# Altium PCB CC_V1.4.PcbDoc (part 2 of 8) (continued)
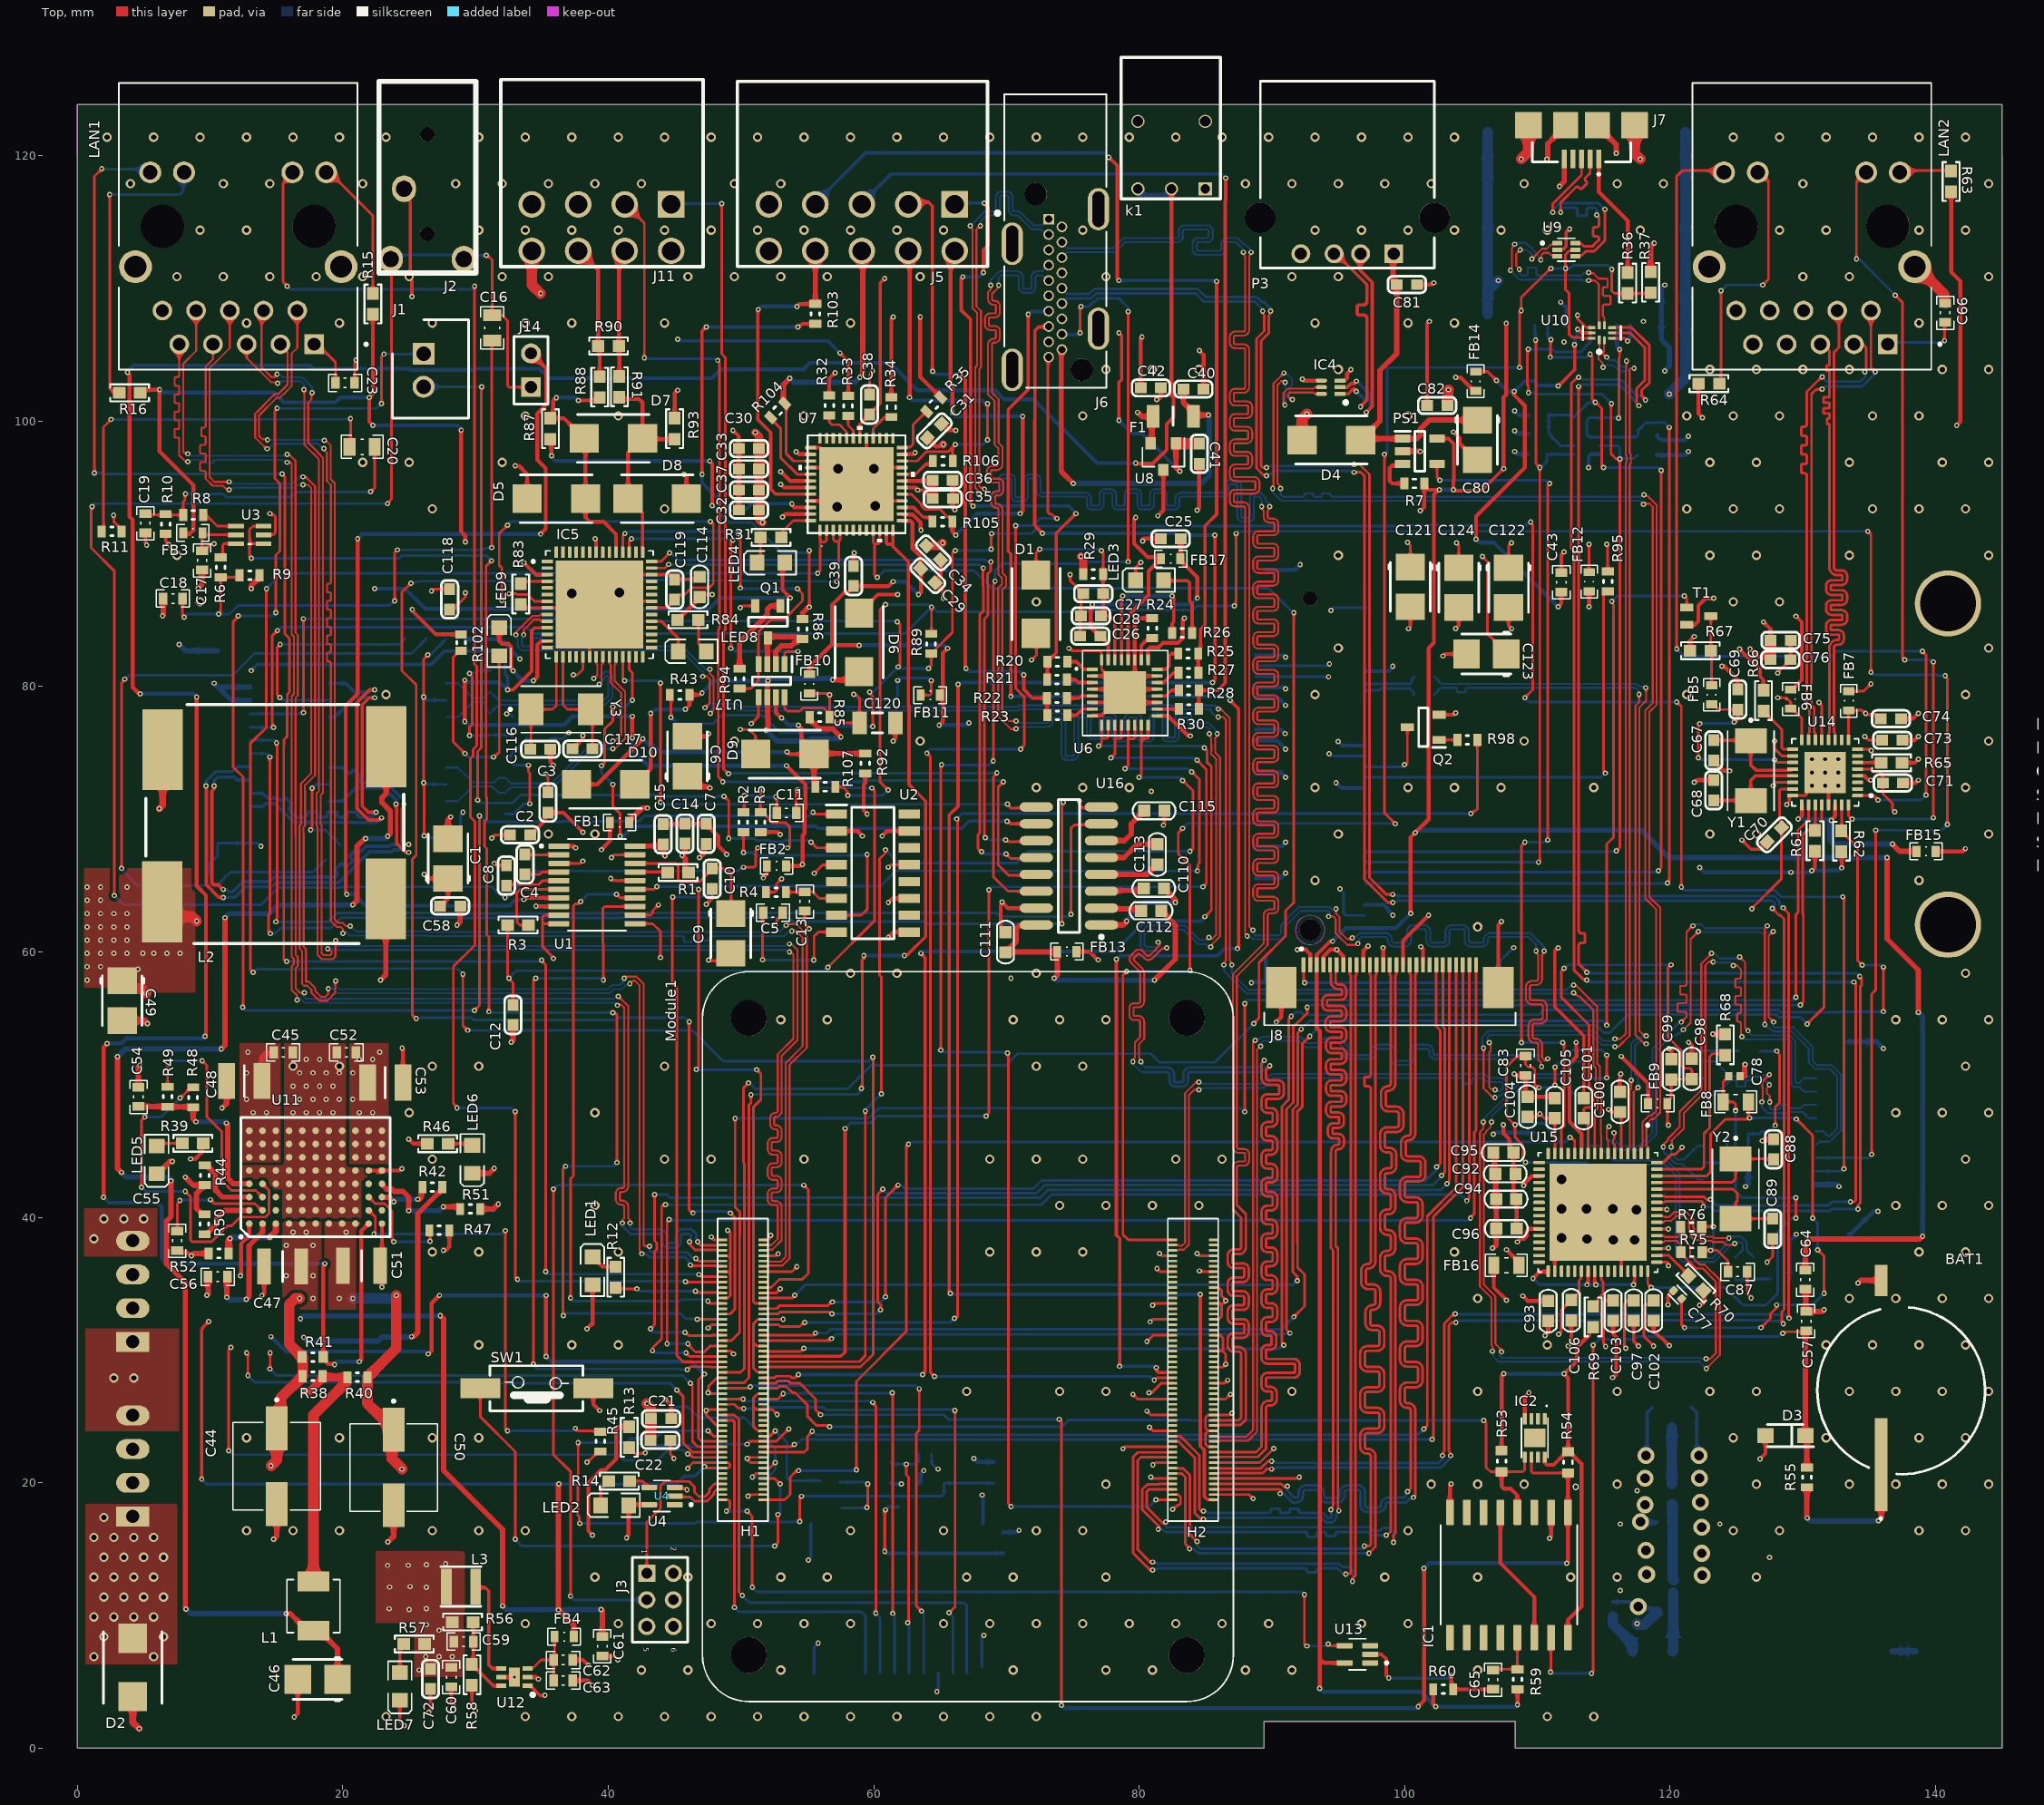
[diagram p0: Top view]
## Part data
ANT1: library part SR4L034-R, "LTE antenna / Berand        : antenova  / partNo Left : SR4L034-L  / PartNo Right: SR4L034-R", link=https://www.digikey.sg/product-detail/en/antenova/SR4L034-R/627-1107-1-ND/9172247, Part Number=SR4L034-R
BAT1: library part "RTC BAT (ML-1220_F1AN)", Manufacturer_Name="Panasonic Battery", Part Number=ML-1220/F1AN, Datasheet Link=http://media.digikey.com/pdf/Data%20Sheets/Panasonic%20Inustrial/ML_Serie.pdf, link=https://www.digikey.com/product-detail/en/panasonic-bsg/ML-1220-F1AN/P295-ND/447504
C1 C9 C46 C49 C80 C121 C122 C123 C124: "Tantalum Capacitor", Voltage=10V
  C9: Part Number=Cap_Tantal
C2 C3 C4 C7 C8 C10 C12 C25 C26 C27 C28 C29 C30 C31 C32 C33 C34 C35 C36 C37 C38 C39: library part "Capacitor Ceramic SMD", Tolerance=*%, Voltage=10v
C5 C11 C13 C17 C18 C19 C55 C56 C57 C61 C62 C63 C64 C65: "SMD capacitor", Part Number="SMD CAP (0603)", Voltage=50V
C6: "Tantalum Capacitor", Part Number=Tantal, Voltage=10V
C14 C15 C21 C22 C24 C40 C42 C58 C67 C68 C69 C70 C71 C72 C73 C74 C75 C76 C81 C82 C88 C89 C116 C117 C118 C119: Voltage=50v
C16 C20 C43 C59 C60 C125 C126 C127 C128: "SMD capacitor", Voltage=50V
C23 C45 C52 C54 C66: "SMD capacitor", Part Number="SMD CAP (0603)"
C41: "SMD capacitor", Voltage=50v
C44 C50: "Capacitor Polarised", Manufacturer_Name=Suncon, Arrow Part Number=63CE22BS, Datasheet Link=http://www.sunelec.co.jp/common/pdf/eng/CE-BS.pdf, Height=8mm, Manufacturer_Part_Number=63CE22BS
C47 C51: "Capacitor, 4.7uF, 50V", Manufacturer_Name=Kemet, Mouser Part Number=80-C1210C475K5R, Package=1210, Voltage=50V, Arrow Part Number=C1210C475K5RACTU, Arrow Price/Stock=https://www.arrow.com/en/products/c1210c475k5ractu/kemet-corporation, Datasheet Link=https://componentsearchengine.com/Datasheets/2/C1210C475K5RACTU.pdf, Height=2.8mm, Manufacturer_Part_Number=C1210C475K5RACTU, Mouser Price/Stock=https://www.mouser.co.uk/ProductDetail/KEMET/C1210C475K5RACTU?qs=dB0LedT%252BmmBpncka1nOCUg%3D%3D
C48 C53: "Capacitor, 100uF, 10V", Manufacturer_Name="Murata Electronics", Mouser Part Number=81-GRM32ER61A107ME0L, Arrow Part Number=GRM32ER61A107ME20L, Arrow Price/Stock=https://www.arrow.com/en/products/grm32er61a107me20l/murata-manufacturing, Datasheet Link=https://psearch.en.murata.com/capacitor/product/%23.html, Height=2.7mm, Manufacturer_Part_Number=GRM32ER61A107ME20L, Mouser Price/Stock=https://www.mouser.co.uk/ProductDetail/Murata-Electronics/GRM32ER61A107ME20L?qs=QRVci0nWsCb7NlWFDLlBHA%3D%3D
C77: "CAP CER 1UF 6.3V X6S 0402", Package=None, Availability=Unavailable, MP=CC0402KRX6S5BB105, Price=None
C78: "CAP CER 0.1UF 10V X5R 0402", Package=None, Availability=Unavailable, MP=GRM152R61A104KE19D, Price=None
C83 C84 C85 C86 C87 C90 C91 C107 C108 C109: library part Cap, "SMD capacitor"
C92 C93 C94 C95 C96 C97 C98 C99 C100 C101 C102 C103 C104 C105 C106 C110 C111 C112 C113 C114 C115: library part "Cap Semi", "Capacitor (Semiconductor SIM Model)", PackageReference=C1206, Published=8-Jun-2000, Publisher="Altium Limited"
  C92 C93 C94 C95 C96 C97 C98 C99 C100 C101 C102 C103 C104 C105 C106 C110 C111 C112 C113 C114: LatestRevisionDate=17-Jul-2002, LatestRevisionNote="Re-released for DXP Platform."
  C115: LatestRevisionDate=29-May-2009, LatestRevisionNote="IPC-7351 Footprint Added.", PackageDescription="Chip Capacitor"
C120: "Capacitor (Semiconductor SIM Model)", LatestRevisionDate=29-May-2009, LatestRevisionNote="IPC-7351 Footprint Added.", PackageDescription="Chip Capacitor", PackageReference=C1206, Published=8-Jun-2000, Publisher="Altium Limited"
C129: "Murata Capacitor", Manufacturer_Name="Murata Electronics", Height=0.55mm
D1: library part SMBJ6.0CA, "Bidirectional TVS 8V SMB", Manufacturer_Name=Littelfuse, Part Number=SMBJ33A, Datasheet Link=https://www.littelfuse.com/~/media/electronics/datasheets/tvs_diodes/littelfuse_tvs_diode_smbj_datasheet.pdf.pdf, Height=2.44mm, link=https://www.digikey.sg/product-detail/en/littelfuse-inc/SMBJ6.0CA/SMBJ6.0CALFCT-ND/286102
D2: library part TPSMB62CA, "Partnumber : TPSMB110CA", Manufacturer_Part_Number=TPSMB110CA
D3: library part NRVB120VLSFT1G, Manufacturer_Name="ON Semiconductor", Datasheet Link=http://www.onsemi.com/pub/Collateral/MBR120VLSFT1-D.PDF, Height=0.98mm, link=https://www.digikey.com/product-detail/en/on-semiconductor/NRVB120VLSFT1G/NRVB120VLSFT1GOSCT-ND/8538727, Part Number=NRVB120VLSFT1G
D4 D5 D8: library part SMBJ6.0CA, "Bidirectional TVS 8V SMB", Manufacturer_Name=Littelfuse, Part Number=SMBJ8.0CA, Datasheet Link=https://www.littelfuse.com/~/media/electronics/datasheets/tvs_diodes/littelfuse_tvs_diode_smbj_datasheet.pdf.pdf, Height=2.44mm, link=https://www.digikey.sg/product-detail/en/littelfuse-inc/SMBJ6.0CA/SMBJ6.0CALFCT-ND/286102
D6 D7 D9 D10: library part SMBJ6.0CA, "Bidirectional TVS 6V SMB", Manufacturer_Name=Littelfuse, Part Number=SMBJ8.0CA, Datasheet Link=https://www.littelfuse.com/~/media/electronics/datasheets/tvs_diodes/littelfuse_tvs_diode_smbj_datasheet.pdf.pdf, Height=2.44mm, link=https://www.digikey.sg/product-detail/en/littelfuse-inc/SMBJ6.0CA/SMBJ6.0CALFCT-ND/286102
F1: library part "Fuse (3413.0113.22)", "USB Host Fuse", Manufacturer_Name=SCHURTER, Part Number=3413.0113.22, Datasheet Link=http://docs-emea.rs-online.com/webdocs/0ce7/0900766b80ce74f5.pdf, Height=0.6mm, link=https://www.digikey.sg/product-detail/en/schurter-inc/3413.0113.22/486-1675-1-ND/2870075
FB1 FB2 FB4 FB5 FB6 FB7 FB9 FB10 FB11 FB12 FB13 FB14 FB15: "Ferrite Bead SMD", Part Number=MI0603J102R-10, link=https://www.digikey.com/product-detail/en/laird-signal-integrity-products/MI0805J102R-10/240-2551-1-ND/1015989
FB3: "Ferrite Bead SMD", link=https://www.digikey.com/product-detail/en/laird-signal-integrity-products/MI0805J102R-10/240-2551-1-ND/1015989, MI0603J102R-10=1K@100MHz
FB8: "Ferrite Bead SMD", Part Number=MPZ2012S601AT000, link=https://www.digikey.com/product-detail/en/laird-signal-integrity-products/MI0805J102R-10/240-2551-1-ND/1015989
FB16 FB17: "Ferrite Bead SMD", Part Number=MI0805J102R-10, link=https://www.digikey.com/product-detail/en/laird-signal-integrity-products/MI0805J102R-10/240-2551-1-ND/1015989
IC1: "Integrated Circuit", Arrow Part Number=PCF2129T/2,518, Manufacturer_Name=NXP, Mouser Part Number=771-PCF2129T/2,518, Arrow Price/Stock=https://www.arrow.com/en/products/pcf2129t2518/nxp-semiconductors, Datasheet Link=http://www.nxp.com/docs/en/data-sheet/PCF2129.pdf, Height=2.65mm, Manufacturer_Part_Number=PCF2129T/2,518, Mouser Price/Stock=https://www.mouser.co.uk/ProductDetail/NXP-Semiconductors/PCF2129T-2518/?qs=O0BhuZj9Wkzo98h9NloC7Q%3D%3D
IC2: "Integrated Circuit", Manufacturer_Name=Microchip, Mouser Part Number=556-ATECC508AMAHCZS, Arrow Part Number=ATECC508A-MAHCZ-S, Arrow Price/Stock=https://www.arrow.com/en/products/atecc508a-mahcz-s/microchip-technology, Datasheet Link=http://www.mouser.com/ds/2/268/Atmel-8923S-CryptoAuth-ATECC508A-Datasheet-Summary-1065793.pdf, Height=0.6mm, Manufacturer_Part_Number=ATECC508A-MAHCZ-S, Mouser Price/Stock=https://www.mouser.co.uk/ProductDetail/Microchip-Technology-Atmel/ATECC508A-MAHCZ-S?qs=%2FPOkb%252BiDxRUOydmISUnqmg%3D%3D
IC4: "Integrated Circuit", Manufacturer_Name=STMicroelectronics, Mouser Part Number=511-ECMF02-2AMX6, RS Part Number=8805276P, Datasheet Link=http://www.st.com/content/ccc/resource/technical/document/datasheet/3a/28/cf/d0/31/63/48/8c/CD00282307.pdf/files/CD00282307.pdf/jcr:content/translations/en.CD00282307.pdf, Height=0.55mm, Mouser Price/Stock=https://www.mouser.com/Search/Refine.aspx?Keyword=511-ECMF02-2AMX6, Part Number=ECMF02-2AMX6, RS Price/Stock=http://uk.rs-online.com/web/p/products/8805276P
IC5: "Integrated Circuit", Manufacturer_Name=EXAR, Mouser Part Number=701-22804IL56-F, Arrow Part Number=XR22804IL56-F, Arrow Price/Stock=https://www.arrow.com/en/products/xr22804il56-f/exar, Datasheet Link=https://www.exar.com/ds/xr22804_1b_04152015.pdf, Height=1mm, Manufacturer_Part_Number=XR22804IL56-F, Mouser Price/Stock=https://www.mouser.com/Search/Refine.aspx?Keyword=701-22804IL56-F
J1: library part B2B-XH-A, "Header Through Hole 2 position (2.50mm)", Manufacturer_Name="JST Sales America", Datasheet Link=http://www.jst-mfg.com/product/pdf/eng/eXH.pdf, Height=7mm, link=https://www.digikey.sg/product-detail/en/jst-sales-america-inc/B2B-XH-A-LF-SN/455-2247-ND/1651045, Part Number=B2B-XH-A
J3: library part BF050-06-A-B-0400-0300-N-G, link=https://gct.co/connector/bf050, Part Number=BF050-06-A-B-0400-0300-N-G, Pin Number=6, Pitch="2.00 mm", Row Number=Dual
J6: "Conn HDMI RCP 19 POS Solder RA Thru-Hole 19 Terminal 1 Port T/R", Package=None, Availability=Unavailable, MF="TE Connectivity", MP=2007435-2, Price=None, SnapEDA_Link=https://www.snapeda.com/parts/2007435-2/TE%20Connectivity%20AMP%20Connectors/view-part/1316516/?ref=snap
J7: "Micro USB Receptacle, Type AB, SMT, Horizontal, Bottom Mount, without Peg"
J8: Package=None, Availability=Unavailable, MP=2-1734592-7, Price=None
J9 J10: "10 Position FFC, FPC Connector Contacts, Top 0.039 _1.00mm_ Surface Mount, Right Angle", Package="Package Analog Devices", Availability=Unavailable, MF="Global Connector Technology", MP=FFC3B11-10-T, Price=None, SnapEDA_Link=https://www.snapeda.com/parts/FFC3B11-10-T/Global%20Connector%20Technology/view-part/4223050/?ref=snap
J11: library part P?, Part Number=1953732
J12: library part "Mini PCIe (AAA-PCI-049-K01)", Part Number=AAA-PCI-049-K01, link=https://lcsc.com/product-detail/Others_AAA-PCI-049-K01_C185938.html
J13: library part U.FL-R-SMT(10), "Coaxial Connectors U.FL", Manufacturer_Name=Hirose, Datasheet Link=https://media.digikey.com/pdf/Data%20Sheets/Hirose%20PDFs/UFL%20Series.pdf, Height=1.25mm, link=https://www.digikey.sg/product-detail/en/hirose-electric-co-ltd/U.FL-R-SMT-10/H9161CT-ND/2135256, Part Number=U.FL-R-SMT(10)
J14: library part "Header 2", "Header, 2-Pin", LatestRevisionDate=17-Jul-2002, LatestRevisionNote="Re-released for DXP Platform.", Publisher="Altium Limited"
L1: library part 744373240022, "744373240022", Manufacturer_Name="Wurth Elektronik", Mouser Part Number=710-744373240022, Arrow Part Number=744373240022, Datasheet Link=http://componentsearchengine.com/Datasheets/1/744373240022.pdf, Manufacturer_Part_Number=744373240022, Mouser Price/Stock=https://www.mouser.co.uk/ProductDetail/Wurth-Elektronik/744373240022?qs=cFlH0mFHHFrAuUoRjqUUNw%3D%3D, Part Number=744373240022
L2: library part TRANS1
L3: library part NR3015T2R2M, Manufacturer_Name="TAIYO YUDEN", Datasheet Link=http://ds.yuden.co.jp/TYCOMPAS/ut/detail.do?productNo=NR3015T2R2M&fileName=NR3015T2R2M_SS&mode=specSheetDownload, link=https://www.digikey.com/product-detail/en/taiyo-yuden/NR3015T2R2M/587-1648-1-ND/1008263, Part Number=NR3015T2R2M
L4 L5 L6: "Murata Inductor", Manufacturer_Name="Murata Electronics", Height=0.55mm
  L4: link=https://www.digikey.com/product-detail/en/murata-electronics/LQG15HS6N8J02D/490-2621-1-ND/662901, Part Number=LQG15HS6N8J02D
  L5: link=https://www.digikey.com/product-detail/en/murata-electronics/LQG15HS39NJ02D/490-2630-1-ND/662910, Part Number=LQG15HS39NJ02D
  L6: link=https://www.digikey.com/product-detail/en/murata-electronics/LQG15HS22NJ02D/490-2627-1-ND/662907, Part Number=LQG15HS22NJ02D
LAN1 LAN2: "Conn RJ-45 RCP 8 POS 1.27mm Solder RA Thru-Hole 14 Terminal 1 Port", Package=None, Availability=Unavailable, MF="Bel Magnetic Solutions", MP=SI-61001-F, Price=None, SnapEDA_Link=https://www.snapeda.com/parts/SI-61001-F/Bel%20Magnetic%20Solutions/view-part/4791152/?ref=snap
LED1 LED2 LED5 LED6 LED7 LED9: library part "WL-SMCW 0805  150080GS75000", "SMD mono-color Chip LED, WL-SMCW, Green", Color=Green, Manufacturer="W黵th Elektronik eiSos GmbH", ComponentLink1Description=Manufacturer, ComponentLink1URL=http://www.we-online.de, ComponentLink2Description=Datasheet, ComponentLink2URL=http://katalog.we-online.com/led/datasheet/150080GS75000.pdf, Created by="Christin Otto", Created Date="June 2013", PartNo=150080GS75000
LED3 LED4: library part "WL-SMCW 0805  150080GS75000", "SMD mono-color Chip LED, WL-SMCW, Green", Color=Green, Manufacturer="W黵th Elektronik eiSos GmbH", PartNo=150080GS75000, ComponentLink1Description=Manufacturer, ComponentLink1URL=http://www.we-online.de, ComponentLink2Description=Datasheet, ComponentLink2URL=http://katalog.we-online.com/led/datasheet/150080GS75000.pdf, Created by="Christin Otto", Created Date="June 2013"
LED8: library part "WL-SMCW 0805  150080GS75000", "SMD mono-color Chip LED, WL-SMCW, Yellow", Color=Green, Manufacturer="W黵th Elektronik eiSos GmbH", ComponentLink1Description=Manufacturer, ComponentLink1URL=http://www.we-online.de, ComponentLink2Description=Datasheet, ComponentLink2URL=http://katalog.we-online.com/led/datasheet/150080GS75000.pdf, Created by="Christin Otto", Created Date="June 2013", PartNo=150080GS75000
Module1: library part ComputeModule4-CM4, Field4=Hirose, Field5="2off DF40C-100DS-0.4V", Field6="2off DF40C-100DS-0.4V", Field7=Hirose, Part Description="100 Position Connector Receptacle, Center Strip Contacts Surface Mount Gold"
P1 P2: library part "Header 4", "CONN HEADER VERT 4POS 2.5MM JST Sales America Inc., B4B-XH-AM(LF)(SN)", Part Number=B4B-XH-AM(LF)(SN), LatestRevisionDate=17-Jul-2002, LatestRevisionNote="Re-released for DXP Platform.", Publisher="Altium Limited"
P3: "USB-A _USB TYPE-A_  Receptacle Connector 4 Position Through Hole, Right Angle", Package=None, Availability=Unavailable, MF="On Shore", MP=USB-A1HSW6, Price=None, SnapEDA_Link=https://www.snapeda.com/parts/USB-A1HSW6/On%20Shore%20Technology%20Inc./view-part/13110/?ref=snap
PS1: "Power Supply", Manufacturer_Name="Diodes Inc.", Mouser Part Number=621-AP22804AW5-7, Arrow Part Number=AP22804AW5-7, Arrow Price/Stock=https://www.arrow.com/en/products/ap22804aw5-7/diodes-incorporated, Datasheet Link=https://componentsearchengine.com/Datasheets/2/AP22804AW5-7.pdf, Height=1.4mm, Manufacturer_Part_Number=AP22804AW5-7, Mouser Price/Stock=https://www.mouser.co.uk/ProductDetail/Diodes-Incorporated/AP22804AW5-7?qs=lqAf%2FiVYw9hgcUuNhFapmA%3D%3D
Q1 Q2: "NPN General Purpose Amplifier", link=https://www.alibaba.com/product-detail/100-MMBT8050-SOT-23-J3Y-S8050_60584077590.html, Part Number=MMBT8050
R1 R3 R12 R13 R14 R17 R18 R19 R31 R39 R46 R56 R57 R58 R61 R62 R65 R66 R67 R68 R69 R70 R83 R84 R87 R88 R90 R91 R93: "Resistor", LatestRevisionDate=17-Jul-2002, LatestRevisionNote="Re-released for DXP Platform.", PackageReference=AXIAL-0.3, Published=8-Jun-2000, Publisher="Altium Limited"
R2 R4 R5 R6 R7 R8 R9 R10 R11 R20 R21 R22 R23 R24 R25 R26 R27 R28 R29 R30 R32 R33 R34 R35 R38 R40 R41 R42 R43 R44 R45 R47 R48 R49 R50 R51 R52 R53 R54 R55 R85 R86 R89 R92 R94 R95 R96 R97 R98 R99 R100 R101 R102 R103 R104 R105 R106 R107: "SMD resistor", Tolerance=5%
R15 R16 R36 R37 R63 R64: library part RES
R59 R60: "SMD resistor", Tolerance=1%
R71 R72 R73 R74 R75 R76 R77 R78 R79 R80 R81 R82: library part Res, "SMD resistor", Tolerance=5%
SIM1: library part "Micro SIM Connector (5039600695)", "Micro SIM Card Connector", Part Number=5039600695, link=https://www.digikey.sg/product-detail/en/molex/5039600695/WM17882CT-ND/8572265
SW1: library part SW-PB, "Switch", LatestRevisionDate=17-Jul-2002, LatestRevisionNote="Re-released for DXP Platform.", PackageDescription="Switch; 2 Leads", PackageReference=SPST-2, Published=24-Mar-1999, Publisher="Altium Limited"
T1: "<b>NPN Silicon Digital Transistor</b>  50V 0,1A 0,25W", Package=None, Availability=Unavailable, MP=BCR133W, Price=None
T2 T3: library part H1102NL, "Ethernet Transformer", Manufacturer_Name=Pulse, Datasheet Link=https://productfinder.pulseeng.com/products/datasheets/h1102nl.pdf, Height=5.97mm, Part Number=H1102NL
U2: library part PAM8403DR, "Stereo Audio Amp", Manufacturer_Name="Diodes Inc.", Datasheet Link=http://docs-emea.rs-online.com/webdocs/1268/0900766b81268cf7.pdf, Height=1.75mm, link=https://www.digikey.com/product-detail/en/diodes-incorporated/PAM8403DR/PAM8403DRDICT-ND/8545951, Part Number=PAM8403DR
U3: "Buffer, Non-Inverting 2 Element 1 Bit per Element Push-Pull Output SC-88 _SC-70-6_", Package="SC-70-6 ON Semiconductor", Availability=Unavailable, MF="ON Semiconductor", MP=NC7WZ16P6X, Price=None, SnapEDA_Link=https://www.snapeda.com/parts/NC7WZ16P6X/ON%20Semiconductor/view-part/1769774/?ref=snap
U4: "Undefined or Miscellaneous", Manufacturer_Name="Diodes Inc.", Mouser Part Number=621-74LVC1G07SE-7, Arrow Part Number=74LVC1G07SE-7, Arrow Price/Stock=https://www.arrow.com/en/products/74lvc1g07se-7/diodes-incorporated, Datasheet Link=https://componentsearchengine.com/Datasheets/2/74LVC1G07SE-7.pdf, Height=1.1mm, Manufacturer_Part_Number=74LVC1G07SE-7, Mouser Price/Stock=https://www.mouser.co.uk/ProductDetail/Diodes-Incorporated/74LVC1G07SE-7?qs=abZ1nkZpTuNoZmx9wrxFdA%3D%3D
U6: "Parallel Digital Input", Built_By=EMA_UL_Team, Copyright="Copyright (C) 2018 Accelerated Designs. All rights reserved", Manufacturer_Part_Number=MAX22195ATJ+, RefDes=RefDes, Revision=4, SourceLibrary=Update_to_database_2021-06-01, Type=DEV, Vendor="Maxim Integrated Products"
U7: "No Description Available", Built_By=EMA_UL_Team, Copyright="Copyright (C) 2018 Accelerated Designs. All rights reserved", Manufacturer_Part_Number=MAX14900EAGM+TCKT, RefDes=RefDes, Revision=2, SourceLibrary=Maxim_2017-04-18, Type=DEV, Vendor="Maxim Integrated Products"
U9: "17V Clamp 5A _8/20Âµs_ Ipp Tvs Diode Surface Mount SOT-666", Package="SOT-563 STMicroelectronics", Availability=Unavailable, MF=STMicroelectronics, MP=USBLC6-2P6, Price=None, SnapEDA_Link=https://www.snapeda.com/parts/USBLC6-2P6/STMicroelectronics/view-part/106846/?ref=snap
U10: "USB Switch IC 1 Channel 10-UMLP _1.8x1.4_", Package="UFQFN-10 ON Semiconductor", Availability=Unavailable, MF="ON Semiconductor", MP=FSUSB42UMX, Price=None, SnapEDA_Link=https://www.snapeda.com/parts/FSUSB42UMX/ON%20Semiconductor/view-part/1672388/?ref=snap
U12: "Step-Down Converter", Manufacturer_Name=RICHTEK, Datasheet Link=https://componentsearchengine.com/Datasheets/2/RT8010GQW.pdf, Height=0.8mm, link=https://www.digikey.com/product-detail/en/richtek-usa-inc/RT8016GQW/1028-1031-1-ND/3071294, Part Number=RT8016GQW
U15: "Ethernet Bridge, USB to Ethernet USB 2.0, 10/100 Base-T/TX PHY USB Interface 64-QFN _9x9_", Package="QFN-64 Microchip", Availability=Unavailable, MF=Microchip, MP=LAN9514-JZX, Price=None, SnapEDA_Link=https://www.snapeda.com/parts/LAN9514-JZX/Microchip/view-part/105106/?ref=snap
U16: library part MAX232CSE, "IC TXRX RS232 ESD TRUE 16SOIC", Code_IPC=SOIC127P600-16, Code_JEDEC=MS-012-AC, ComponentLink1Description="Manufacturer Link", ComponentLink1URL=http://www.maxim-ic.com/, ComponentLink2Description=Datasheet, ComponentLink2URL=http://pdfserv.maxim-ic.com/en/ds/MAX220-MAX249.pdf, LatestRevisionDate=13-Apr-2006, LatestRevisionNote="IPC-7351 Footprint Added.", PackageDescription="16-Pin Small Outline Integrated Circuit 1.27 mm Pitch", PackageReference=NSO16, Published=16-Jan-2001, Publisher="Altium Limited"
U17: library part MAX3362EKA+T, Manufacturer_Name="Maxim Integrated", Datasheet Link=http://docs-emea.rs-online.com/webdocs/0f71/0900766b80f71b05.pdf, Height=1.45mm, link=https://www.digikey.sg/product-detail/en/maxim-integrated/MAX3362EKA-T/MAX3362EKA-TCT-ND/9681401, Part Number=MAX3362EKA+T
U18: library part TPD4E1B06DCKR, "Quad Bi-Directional ESD Protection Array", Manufacturer_Name="Texas Instruments", Datasheet Link=http://www.ti.com/jp/lit/gpn/tpd4e1b06, Height=1.1mm, link=https://www.digikey.sg/product-detail/en/texas-instruments/TPD4E1B06DCKR/296-39346-1-ND/5143298, Part Number=TPD4E1B06DCKR
Y1 Y2 Y3: "Crystal 2-SMD, No Lead", Package=None, Availability=Unavailable, MP=ECS-250-18-23A-JGN-TR, Price=None
U5: Field4=Farnell, Field5=2545875, Field6=RT9742GGJ5, Field7=RichTek, Field8=USWI00166, Part Description="Power Switch/Driver 1:1 N-Channel 1A TSOT-23-5"
U8: Field4=Farnell, Field5=2575555, Field6=RT9742SNGV, Field7=RichTek, Field8=USWI00155, Part Description="Power Switch/Driver 1:1 N-Channel 500mA SOT-23-3"

## Via types
v1: diameter 0.4, hole 0.2, Top to Bottom, 1319 vias
v2: diameter 0.7, hole 0.4, Top to Bottom, 378 vias
v3: diameter 1.27, hole 0.711, Top to Bottom, 28 vias

## Nets (pads, with @x,y where several pads share a name; then routed paths per layer and width w, separated by ;. In a path a pad name is that pad's centre, name@x,y a point inside that pad or via, vN(x,y) a via of type N, cw(c..) or ccw(c..) an arc to the next point about the centre after c; other vN are vias at no path point)
1V8: C59.1 C60.1 C70.1 C71.1 C72.2 FB7.1 J8.1 L3.2 R56.2 R57.1 U14.5 U14.23 | length 37
  Top w0.2: J8.1@92.375,59.025 92.375,57.765 v1(92.454,57.686) ; v1(126.154,63.25) 126.154,63.279 128.389,65.514 C70.1@128.389,69.364 128.4,69.374 128.4,69.808 128.225,69.982 128.225,72.158 128.342,72.275 U14.23@129.23,72.275 ; FB7.1@133.45,79.65 134.575,79.65 v1(135.125,80.2) ; U14.5@134.12,73.775 135.095,73.775 135.314,73.555 135.795,73.555 136.013,73.337 C71.1@136.013,72.725 136.013,71.929 136.737,71.205 136.737,70.715 136.898,70.554 v1(136.915,70.554)
  Bottom w0.2: v1(92.454,57.686) 106.785,57.686 107.182,58.083 107.182,59.307 v1(108.2,60.325)
  other v1: 25.746,5.888 26.246,6.888 27.246,6.888 28.246,6.888 27.246,8.888 26.289,9.3 25,10.45 23.5,10.5 26.3,10.525 23.524,12.137 26.3,12.125 25.057,12.175 23.373,13.773 24.927,13.779 26.3,13.825 27.746,13.888
1V8_A2: C73.1 C74.1 FB7.2 U14.9 | length 6.5
  Top w0.2: U14.9@133.45,75.995 U14.9@133.425,75.97 133.425,78.175 FB7.2@133.45,78.2 134.438,78.2 134.663,77.975 v1(134.718,77.975) 134.772,77.975 134.865,77.882 135.557,77.882 C74.1@135.863,77.575 C74.1@135.975,77.463 ; v1(134.665,76.242) 134.665,76.232 134.947,75.95 C73.1@135.975,75.95
1V8_CM: C21.2 Module1.88 Module1.90 U12.2 | length 18
  Top w0.2: v1(50.85,20.415) 51.145,20.71 Module1.90@51.671,20.71 ; Module1.88@51.671,21.11 52.16,21.11 v1(52.573,21.524)
  Top w0.3: U12.2@33.925,5.35 34.585,5.35 v1(34.737,5.198) ; v1(44.272,26.312) 44.737,25.847 C21.2@44.737,24.825
  Bottom w0.2: v1(44.272,26.312) 44.859,25.725 45.979,25.725 46.808,24.896 50.245,24.896 52.573,22.568 v1(52.573,21.524) 52.573,20.97 52.018,20.415 v1(50.85,20.415)
1V8_core_LAN: C104.2 C105.2 C106.2 U15.15 U15.38 | length 10.6
  Top w0.2: C104.2@109.26,47.563 109.937,47.563 v1(110.179,47.805) 110.201,47.805 110.544,47.463 111.21,47.463 C105.2@111.31,47.463 ; C105.2@111.21,47.563 C105.2@111.31,47.463 ; U15.15@111.31,44.81 111.31,45.507 C105.2@111.31,47.463 ; v1(111.585,31.185) 111.81,31.41 111.81,33.022 C106.2@112.55,33.762 113.125,34.337 113.125,35.228 113.28,35.383 113.28,35.91 U15.38@113.31,35.94
3V3: C1.1 C2.2 C3.2 C29.2 C39.2 C52.1 C53.2 C58.2 C92.2 C93.2 C94.2 C95.2 C96.2 C114.2 D3.2 FB1.1 FB3.2 FB6.1 FB9.1 FB10.2 FB11.2 FB12.2 FB13.2 FB14.2 FB15.1 FB16.2 FB17.2 IC1.16 IC2.8 IC5.3 J8.2 LED1.1 LED2.1 R13.2 R15.1 R16.1 R17.2 R19.2 R34.2 R35.1 R46.1 R47.2 R53.1 R54.1 R61.2 R62.2 R63.1 R64.1 R67.2 R69.2 R84.1 R102.1 U1.1 U1.8 U4.5 U5.5 U6.28 U7.13 U11.J6 U11.J7 U11.J8 U11.K6 U11.K7 U11.K8 U11.L6 U11.L7 U11.L8 U15.11 | length 286.4
  Top w0.254: FB6.1@129.075,79.775 129.2,79.775 129.919,80.494 129.919,84.86 v1(129.479,85.3)
  Top w0.3: R16.1@4.727,102.125 4.951,102.348 6.171,102.348 v1(6.19,102.367) 6.19,97.72 8.74,95.17 8.74,91.777 8.463,91.5 8.05,91.5 FB3.2@7.975,91.575 ; v1(22.262,99.675) 21.993,99.945 v1(21.993,101.775) 22.262,102.045 R15.1@22.262,108.043 ; v1(24.975,45.895) 24.975,45.883 25.307,45.55 R46.1@26.363,45.55 ; v1(25.225,85.813) 25.225,85.774 25.298,85.701 25.298,85.637 27.01,83.925 R102.1@28.915,83.925 ; v1(26.12,65.838) 26.425,65.532 C1.1@27.925,65.532 27.925,64.024 27.361,63.46 C58.2@27.323,63.46 ; v1(27.575,37.522) 27.594,37.542 27.781,37.542 28.025,37.785 R47.2@28.025,39.025 ; v1(28.915,99.315) 28.915,91.683 29.206,91.392 29.206,90.902 v1(29.225,90.883) ; v1(33.65,89.324) 34.549,88.425 IC5.3@35.4,88.425 ; C2.2@34.112,68.825 34.15,68.825 35.244,69.919 35.244,70.281 C3.2@35.45,70.488 36.622,70.488 v1(38.085,69.025) ; v1(34.549,63.46) 34.584,63.425 U1.8@36.28,63.425 ; U1.1@36.28,67.975 36.285,67.97 37.408,67.97 v1(37.538,67.84) ; v1(38.4,31.598) 38.759,31.956 38.811,31.956 LED1.1@38.811,34.916 ; v1(38.811,16.055) 38.498,16.368 38.498,19.995 39.472,20.968 39.784,20.968 40.589,21.774 40.589,24.075 40.727,24.212 R13.2@41.575,24.212 ; v1(39.485,67.7) 39.6,67.815 39.6,67.84 40.125,68.365 FB1.1@40.125,69.75 ; v1(41.38,15.856) 41.38,15.91 41.525,16.055 LED2.1@41.525,18.3 41.575,18.35 U4.5@43.08,18.35 ; R84.1@45.213,85.025 45.238,85.025 46.618,86.405 46.618,86.481 C114.2@46.875,86.738 47.062,86.925 v1(47.825,86.925) ; FB10.2@55.143,80.925 55.148,80.931 55.148,81.475 56.931,83.258 ; v1(58.9,83.104) 57.084,83.104 56.85,83.339 56.85,86.145 57.741,87.035 57.986,87.035 58.475,87.525 C39.2@58.475,87.563 61.114,87.563 v1(61.451,87.9) ; R34.2@61.325,101.8 61.325,107.71 v1(61.451,107.836) ; U7.13@62.155,92.493 62.749,92.493 62.925,92.317 62.925,90.403 63.506,89.822 63.506,88.919 C29.2@63.533,88.892 63.56,88.865 63.56,87.074 63.551,87.074 63.403,86.925 v1(63.363,86.925) ; v1(63.5,107.836) 63.5,103.325 R35.1@65.05,101.775 ; v1(64.928,77.091) 65.2,77.364 65.2,82.521 v1(65.554,82.875) ; FB13.2@75.273,60.025 76.242,60.025 76.867,59.4 v1(76.903,59.4) ; U6.28@79.162,81.993 79.162,85.343 80.703,86.884 80.703,88.683 81.372,89.352 81.497,89.352 81.647,89.502 FB17.2@81.647,89.627 81.525,89.749 80.631,89.749 79.605,90.776 79.605,92.624 v1(79.729,92.748) ; v1(91.9,60.177) 92.533,60.177 92.875,59.835 J8.2@92.875,59.025 ; v1@103.88,103.29 v1(103.845,103.29) 103.864,103.271 104.224,103.271 105.22,102.275 FB14.2@105.345,102.275 ; FB16.2@106.708,36.381 106.708,34.712 v1(107.658,33.762) ; R53.1@107.293,22.425 107.293,28.035 v1(107.469,28.21) ; v1(107.425,46.979) 107.438,46.966 107.438,46.329 107.89,45.878 107.89,45.182 C95.2@108.197,44.875 108.197,41.587 C94.2@108.409,41.375 108.422,41.362 C96.2@108.422,39.15 ; v1(108.904,34.075) 109.267,33.712 C93.2@110.81,33.712 ; IC2.8@110.543,21.93 110.543,21.526 110.718,21.35 111.223,21.35 112.21,22.337 R54.1@112.31,22.337 ; IC1.16@112.295,8.33 112.295,9.66 113.31,10.675 113.31,21.437 112.41,22.337 R54.1@112.31,22.337 ; v1(112.91,53.178) 112.929,53.159 112.929,52.532 112.949,52.512 112.949,52.103 112.417,51.57 112.417,47.198 113.31,46.305 U15.11@113.31,44.81 ; v1(113.875,86.007) 113.9,86.033 FB12.2@113.9,87.175 ; R69.2@114.198,31.738 R69.2@114.198,31.713 113.904,31.418 113.904,31.144 112.977,30.217 112.977,29.17 v1(112.017,28.21) 112.017,28.183 112.31,27.891 R54.1@112.31,22.337 ; v1(116.31,52.124) 118.335,50.099 FB9.1@118.335,48.575 ; R67.2@121.488,82.7 121.488,83.438 v1(121.818,83.768) ; R64.1@122.135,102.825 122.135,100.56 v1(122.437,100.258) ; v1(126.77,21.798) 127.175,22.203 D3.2@127.175,23.55 ; v1(130.675,66.125) 130.9,66.35 R61.2@130.9,67.588 ; R62.2@132.9,67.55 132.927,67.523 v1(132.927,66.332) ; FB15.1@140,67.575 142.032,67.575 v1(142.235,67.777) ; R63.1@141.162,117.27 141.162,111.24 141.86,110.542 141.86,99.958 v1(141.583,99.68)
  Bottom w0.3: v1(6.19,102.367) 6.19,102.358 6.408,102.141 14.827,102.141 15.548,101.42 19.46,101.42 19.815,101.775 v1(21.993,101.775) ; v1(22.262,99.675) 28.643,99.675 28.915,99.403 v1(28.915,99.315) ; v1(58.9,83.104) 65.325,83.104 v1(65.554,82.875) ; v1(61.451,87.9) 62.388,87.9 v1(63.363,86.925) ; U5.5@63.4,19.975 63.525,20.1 63.525,20.67 v1(63.77,20.915) ; v1(64.928,77.091) 67.016,77.091 v1(67.175,77.25) ; v1(67.538,21.832) 67.808,21.562 R19.2@69.05,21.562 ; R17.2@69.75,16.262 70.797,16.262 v1(70.945,16.41) ; v1(107.469,28.21) v1(112.017,28.21) ; v1(122.225,66.35) 122.232,66.35 122.583,66 v1(129.09,66) 130.51,66 130.635,66.125 v1(130.675,66.125) 132.72,66.125 v1(132.927,66.332)
  other v1: 21.246,47.888 22.246,47.888 20.746,48.888 20.746,50.888 21.246,51.888 22.246,51.888 22.775,52.454
3V3_A2: C75.1 C76.1 FB6.2 U14.16 | length 7.2
  Top w0.2: v1(128.11,79.15) 128.743,79.15 129.075,78.818 FB6.2@129.075,78.325 129.2,78.325 129.925,77.6 U14.16@129.925,75.97 ; v1(128.11,81.02) 128.11,81.073 C76.1@129.062,82.025 129.062,83.45 C75.1@129.087,83.475
3V3_Audio: C6.1 C7.2 C14.1 C15.1 FB1.2 R1.1 U1.20 | length 10.8
  Top w0.4: FB1.2@41.575,69.75 41.575,69.875 42.544,70.844 v1(42.95,70.844) ; U1.20@42.02,67.975 44,67.975 C15.1@44.125,68.1 44.125,67.379 v1(44.275,67.229) ; C14.1@45.775,68.15 45.775,67.49 v1(45.555,67.271) 45.807,67.019 45.807,66.218 R1.1@46.05,65.975 ; C6.1@45.962,73.24 46.762,72.44 47.564,72.44 v1(47.652,72.352) ; v1(46.875,67.11) 47.169,67.404 47.169,67.931 C7.2@47.375,68.138
3V3_CM: C22.2 Module1.84 Module1.86 R45.2 | length 5.5
  Top w0.2: v1(38.4,21.56) 38.438,21.598 38.498,21.598 39.25,22.35 R45.2@39.4,22.35 ; C22.2@44.687,23.2 44.687,22.123 44.941,21.869 v1(44.941,21.815) ; Module1.86@51.671,21.51 50.7,21.51 50.45,21.76 v1(50.45,21.825) 50.535,21.91 Module1.84@51.671,21.91
3V3_OUT: C118.1 C119.1 IC5.7 IC5.19 IC5.35 | length 38.5
  Top w0.2: C118.1@28.05,85.813 28.312,85.813 29.225,86.726 v1(29.225,87.075) ; v1(31.988,86.464) 31.988,88.924 31.782,89.129 31.782,91.535 v1(32.407,92.16) ; v1(32.518,86.982) 33.061,86.982 33.118,86.925 33.925,86.925 34.425,86.425 IC5.7@35.4,86.425 ; v1(37.375,80.885) 37.685,80.885 38.085,81.285 IC5.19@38.085,82.24 ; IC5.35@43.27,85.925 44.387,85.925 C119.1@45,86.538 45,86.576 45.306,86.883 45.706,86.883 46.269,87.445 47.605,87.445 47.91,87.75 47.91,92.215 v1(47.699,92.425)
  Bottom w0.2: v1(32.407,92.16) 32.672,92.425 v1(47.699,92.425)
3V3_VDDIO: FB15.2 U14.25 U14.30 | length 13.4
  Top w0.3: v1(129.644,70) 129.925,70.281 U14.25@129.925,71.08 ; v1(132.125,69.906) 132.125,69.925 132.425,70.225 U14.30@132.425,71.08
  Top w0.4: v1(136.737,68.125) 137.288,67.575 FB15.2@138.55,67.575
  Bottom w0.3: v1(129.644,70) 132.005,70 132.098,69.906 v1(132.125,69.906)
  Bottom w0.4: v1(132.125,69.906) 132.021,69.802 132.021,68.425 132.321,68.125 v1(136.737,68.125)
5V: C38.2 C41.1 C45.1 C48.2 C61.1 C64.1 C82.1 FB2.2 FB4.1 IC5.11 J8.3 J11.5 LED4.1 Module1.77 Module1.79 Module1.81 Module1.83 Module1.85 Module1.87 PS1.5 R7.1 R33.2 R39.1 R42.2 R59.2 R60.2 U7.30 U8.1 U11.A6 U11.A7 U11.A8 U11.B6 U11.B7 U11.B8 U11.C6 U11.C7 U11.C8 U13.5 | length 698.1
  Top w0.2: v1(11.4,22.417) 11.4,30.03 v1(11.56,30.19) ; v1(12.75,29.8) 12.85,29.7 v1(12.85,28.072) ; v1(14.5,28.575) 14.523,28.598 v1(14.523,29.8) ; v1(45.161,26.996) 45.628,26.529 45.628,23.021 46.339,22.31 Module1.81@48.591,22.31 ; v1(45.975,22.175) 46.105,22.175 46.37,21.91 Module1.83@48.591,21.91 ; v1(45.979,21.067) 45.979,21.105 46.384,21.51 Module1.85@48.591,21.51 49.033,21.51 49.15,21.393 49.15,21.228 49.033,21.11 Module1.87@48.591,21.11 47.419,21.11 47.307,21.223 v1(47.252,21.223) ; v1(46.176,27.51) 46.339,27.347 46.339,23.11 46.739,22.71 Module1.79@48.591,22.71 ; v1(47.235,28.194) 46.811,27.769 46.811,23.361 47.061,23.11 Module1.77@48.591,23.11
  Top w0.254: v1(9.367,20.268) 9.367,31.52 9.435,31.587 9.435,31.687 v1(9.885,32.138) ; v1(32.407,79.75) 32.815,79.75 34.219,81.153 34.219,84.193 34.451,84.425 IC5.11@35.4,84.425 ; v1(57.451,105.129) 58.075,104.505 R33.2@58.075,101.9 ; U7.30@58.951,98.698 58.951,99.763 C38.2@59.675,100.488 59.675,100.526 60.483,101.334 60.483,110.408 v1(60.825,110.75) ; v1(78.468,100.052) 78.468,102.919 78.662,103.113 78.662,106.448 v1(78.468,106.642) ; C82.1@101.683,101.177 101.683,107.351 v1(101.845,107.513) ; PS1.5@102.435,98.678 103.296,98.678 103.707,98.266 103.707,95.535 103.672,95.5 v1(103.672,94.827) ; v1@103.706,94.752 105.792,94.752 v1(107.45,96.41)
  Top w0.3: v1(8.525,44.397) 8.892,44.397 9.346,44.852 9.346,45.434 R39.1@9.487,45.575 ; v1(26.438,29.7) 26.691,29.953 26.691,33.528 v1(27.275,34.112) ; v1(29.185,77.37) v1(29.185,80.484) ; v1(35.308,29.512) v1@35.308,33.996 ; v1(41.8,76.117) v1(41.8,77.75) ; LED4.1@53.303,89.324 53.125,89.146 53.125,87.263 v1(53.719,86.669) ; FB2.2@53.4,66.475 54.505,66.475 v1(54.635,66.605) 54.635,68.771 54.775,68.911 54.775,70.729 54.86,70.814 54.86,72.594 v1(53.429,74.025) ; v1(93.595,4.51) 93.595,54.03 93.375,54.25 J8.3@93.375,59.025 93.375,59.786 94.37,60.781 94.543,60.781 v1(94.562,60.8) ; 93.619,7.07 93.619,6.711 93.91,6.42 U13.5@95.48,6.42 ; v1(100.45,62.9) 100.45,68.648 v1(100.8,68.998) 101.8,69.998 101.8,82.887 102.2,83.287 102.2,94.453 v1@102.57,94.823 ; v1(101.163,93.246) 101.205,93.246 101.475,93.516 R7.1@101.475,95.15 ; R7.1@101.475,95.3 R7.1@101.475,95.15 ; R60.2@102.15,4.435 102.15,3.303 v1(102.325,3.127) ; v1(102.597,94.827) 102.592,94.823 101.802,94.823 R7.1@101.475,95.15 ; v1(107.45,96.41) 107.45,101.793 107.65,101.993 v1(107.65,107.376) ; v1(108.497,3.28) 108.497,4.432 R59.2@108.5,4.435
  Top w0.4: C48.2@13.905,50.275 13.905,52.08 14.175,52.35 14.708,52.35 C45.1@14.783,52.425 ; v1(25.182,31.005) 25.262,31.005 25.307,31.05 25.386,31.05 25.654,31.318 25.654,40.279 R42.2@27.5,42.125 ; v1(27.341,32.6) 27.601,32.34 27.601,20.915 32.04,16.476 v1(32.04,10.705) ; R42.2@27.5,42.1 R42.2@27.5,42.125 ; R42.2@27.5,42.275 R42.2@27.5,42.125 ; v1(36.275,19.9) 36.25,19.875 v1(36.25,10.425) 37.4,9.275 FB4.1@37.4,8.4 ; v1(39.45,10.45) 39.55,10.35 C61.1@39.55,8.4 ; U8.1@82.765,98.32 82.765,98.297 82.765,96.51 v1(83.05,96.225) ; C64.1@130.175,36.025 130.175,38.113 130.425,38.363 138.795,38.363 139,38.567 v1(139.02,38.567) ; v1(136.33,67.112) 136.33,60.995 138.69,58.635 v1(138.69,55.44)
  Top w0.8: J11.5@34.25,112.882 34.25,110.262 v1(34.895,109.617) ; U8.1@82.765,98.297 C41.1@84.525,98.297
  Bottom w0.2: v1(11.4,22.417) 11.45,22.367 11.45,22.363 11.699,22.114 40.751,22.114 41.165,21.7 43.745,21.7 44.514,22.469 45.627,22.469 45.921,22.175 v1(45.975,22.175) ; v1(12.85,28.072) 13.369,27.553 31.08,27.553 31.123,27.51 44.647,27.51 v1(45.161,26.996) ; v1(14.5,28.575) 15.002,28.072 45.614,28.072 v1(46.176,27.51)
  Bottom w0.254: v1(9.367,20.268) 9.735,19.9 v1(36.275,19.9) 45.161,19.9 45.747,20.486 46.516,20.486 v1(47.252,21.223) ; v1(13.1,81.2) 13.567,81.667 26.675,81.667 27.688,82.681 32.086,82.681 32.234,82.532 32.234,80.934 32.407,80.761 v1(32.407,79.75) ; v1(45.225,106.167) 45.345,106.047 56.532,106.047 v1(57.451,105.129) ; v1(78.468,100.052) 79.46,99.06 80.215,99.06 v1(83.05,96.225)
  Bottom w0.3: v1(14.587,31.005) 15.705,29.888 26.224,29.888 26.411,29.7 v1(26.438,29.7) ; v1(22.4,87.375) 24.692,87.375 26.207,85.86 47.614,85.86 48.423,86.669 v1(53.719,86.669) ; v1(27.275,34.112) v1(35.308,34.112) ; v1(29.185,77.37) 29.212,77.37 29.482,77.1 36.674,77.1 37.324,77.75 v1(41.8,77.75) ; v1(29.185,80.484) 29.204,80.465 29.231,80.465 29.393,80.303 31.855,80.303 v1(32.407,79.75) ; v1(35.308,29.512) 35.7,29.12 46.31,29.12 v1(47.235,28.194) ; v1(41.8,76.117) 41.781,76.098 41.781,75.69 41.708,75.617 41.708,75.317 43,74.025 v1(53.429,74.025) ; v1(93.595,4.51) 93.867,4.238 101.215,4.238 v1(102.325,3.127) 108.345,3.127 v1(108.497,3.28) ; v1(94.562,60.8) 95.556,61.794 99.342,61.794 v1(100.45,62.9) v1(100.45,62.9) ; v1(102.597,94.827) v1(103.672,94.827)
  Bottom w0.4: v1(16.813,32.35) 16.813,32.391 16.993,32.571 27.312,32.571 v1(27.341,32.6) ; v1(17.05,30.964) 17.05,30.915 17.285,30.681 22.657,30.681 22.953,30.977 25.155,30.977 v1(25.182,31.005) ; v1(32.04,10.705) 32.32,10.425 v1(36.25,10.425) 36.275,10.45 v1(39.45,10.45) ; v1(100.8,68.998) 100.977,69.175 117.827,69.175 119.889,67.112 v1(136.33,67.112) ; v1(138.69,55.44) 139.02,55.11 v1(139.02,38.567)
  other v1: 13.246,47.888 14.246,47.888 12.746,48.888 12.746,50.888 12.85,52.454
5V_HDMI: C42.1 F1.2 U8.2 | length 5.2
  Top w0.4: v1(79.864,100.651) 79.896,100.651 80.209,100.337 F1.2@81.002,100.337 ; U8.2@80.865,98.32 80.948,98.403 80.948,100.282 F1.2@81.002,100.337 ; F1.2@81.31,101.02 81.03,100.74 F1.2@81.03,100.365 F1.2@81.002,100.337 ; v1(81.32,101.625) 81.37,101.675 81.405,101.675 81.639,101.909 C42.1@81.639,102.502 C42.1@81.601,102.464
24_VIN: C49.1 D2.1 L2.3 P1.1 P1.4 P2.1 P2.4 | length 5.9
  Top w0.8: C49.1@3.381,57.825 3.981,57.225 4.846,57.225 v1(5.182,56.889) ; L2.3@6.4,63.775 7.518,62.657 8.655,62.657 v1(8.988,62.325)
  Bottom w0.8: P2.4@4.15,25.17 P2.4@4.242,25.078 ; P1.1@4.242,30.614 P1.1@4.427,30.429 ; P1.4@4.242,38.234 P1.4@4.335,38.142
  other v1: 0.746,57.888 4.563,58.704 0.746,58.888 1.746,58.888 0.746,59.888 1.746,59.888 2.746,59.888 3.746,59.888 5.746,59.888 6.746,59.888 7.746,59.888 4.936,59.898 0.746,60.888 1.746,60.888 2.746,60.888 3.746,60.888 0.746,61.888 1.746,61.888 2.746,61.888 3.746,61.888 0.746,62.888 1.746,62.888 2.746,62.888 3.746,62.888 0.746,63.888 1.746,63.888 0.746,64.888 1.746,64.888 3.746,64.888
  other v2: 1.246,6.888 5.746,6.888 1.996,8.388 6.496,8.388 1.246,9.888 2.746,9.888 4.246,9.888 5.746,9.888 1.996,11.388 3.496,11.388 4.996,11.388 6.496,11.388 1.246,12.888 2.746,12.888 4.246,12.888 5.746,12.888 1.996,14.388 3.496,14.388 4.996,14.388 6.496,14.388 1.246,15.888 2.746,15.888 4.246,15.888 5.746,15.888 1.996,17.388 2.746,27.888 4.246,27.888 1.246,38.388 1.996,39.888 3.496,39.888 4.996,39.888
24V: C30.2 C31.2 C32.2 C33.2 C34.2 C35.2 C36.2 C37.2 L1.2 R29.2 R38.1 R40.1 U7.14 U7.18 U7.19 U7.23 U7.38 U7.42 U7.43 U7.47 | length 49.3
  Top w0.3: v1(52.982,95.243) 53.232,94.993 U7.43@55.246,94.993 ; v1(52.995,96.2) 53.702,95.493 U7.42@55.246,95.493 ; v1(53.125,92.775) 53.343,92.993 U7.47@55.246,92.993 ; v1(54.156,97.693) 54.356,97.493 U7.38@55.246,97.493 ; U7.14@62.155,92.993 62.178,92.97 62.909,92.97 63.54,92.339 63.54,91.826 v1@63.531,91.817 ; U7.18@62.155,94.993 63.151,94.993 ; U7.19@62.155,95.493 C36.2@64.377,95.493 ; U7.23@62.155,97.493 62.992,97.493 v1@63.115,97.616 ; 63.151,94.992 v1@63.3,94.844 ; v1(63.3,94.804) 63.319,94.785 63.767,94.785 64.4,94.152 C35.2@64.438,94.152 ; C31.2@64.025,98.726 64.657,98.093 64.906,98.093 65.041,98.228 65.218,98.228 v1(65.237,98.247)
  Top w0.6: v1(17.246,26.888) 17.488,26.888 R38.1@18.55,27.95 ; R38.1@18.475,28.025 R38.1@18.55,27.95 ; R40.1@20.35,27.95 R38.1@18.55,27.95 ; v1(51.075,99.144) 51.361,98.858 C30.2@51.361,97.926 C33.2@51.361,96.4 C37.2@51.361,94.804 C32.2@51.361,93.303 ; C32.2@51.417,93.359 C32.2@51.361,93.303 ; v1(51.626,92.356) 51.587,92.356 51.517,92.425 51.475,92.425 51.361,92.539 C32.2@51.361,93.303 ; C34.2@63.958,90.614 63.985,90.587 64.913,90.587 65.152,90.826 v1(65.2,90.826) ; C36.2@64.377,95.493 C36.2@64.425,95.541 64.438,95.528 C35.2@64.438,94.152 ; v1@65.198,98.247 v1(65.237,98.247) ; v1(75.597,89.795) 75.608,89.795 75.655,89.747 75.775,89.627 R29.2@75.775,88.471
  Top w0.8: L1.2@17.784,12.555 17.784,25.08 20.25,27.546 R40.1@20.25,27.9
  other v1: 63.559,91.789 63.115,97.623
Audio_3V3: C17.1 FB3.1 U3.5 | length 5.1
  Top w0.2: v1(10.3,90.765) 10.065,90.765 9.525,90.225 C17.1@9.4,90.225 9.4,91.55 FB3.1@9.425,91.575 9.575,91.425 U3.5@11.959,91.425
Audio_5V: FB2.1 R4.2 U2.4 U2.13 | length 6.7
  Top w0.2: v1(51.675,65.582) 51.95,65.857 FB2.1@51.95,66.475 ; R4.2@51.875,64.5 52.558,64.5 52.675,64.617 52.675,65.128 v1(53.051,65.504) ; v1(55.525,65.925) 56.15,66.55 57.219,66.55 U2.4@57.199,66.57 ; v1(61.075,66.375) 61.1,66.375 61.295,66.57 U2.13@62.675,66.57
  Bottom w0.2: v1@55.525,65.825 v1(55.525,65.925)
Audio_L: C16.1 J2.2 J2.3 J14.1 R5.1 | length 151.6
  Top w0.2: v1@1.05,93.56 1.05,90.448 2.775,88.722 v1(2.775,64.25) ; v1(23.373,93.778) 23.373,93.832 23.654,94.113 23.654,112.161 J2.3@23.612,112.203 ; v1(30.803,112.48) 30.9,112.48 31.247,112.133 C16.1@31.247,107.97 31.995,107.97 32.407,107.558 32.407,102.669 32.525,102.551 33.02,102.551 33.03,102.561 J14.1@34.175,102.561 ; v1(50.175,66.375) 50.982,66.375 51.1,66.492 51.1,67.677 v1(51.263,67.84) ; v1(51.675,72.2) 51.475,72 R5.1@51.475,70.525 51.625,70.525 52.108,70.042 52.108,69.939 52.296,69.75 53.35,69.75 53.682,69.418 53.682,67.957 53.565,67.84 v1(53.505,67.84)
  Bottom w0.2: v1(1.105,93.56) 1.322,93.778 v1(23.373,93.778) ; v1(2.775,64.25) 3.479,63.546 13.838,63.546 15.142,64.85 19.855,64.85 19.909,64.904 31.246,64.904 32.225,63.925 v1@32.342,64.042 ; J2.3@23.612,112.52 29.112,112.52 29.152,112.48 v1(30.803,112.48) ; v1(32.225,64.09) 32.263,64.051 32.333,64.051 v1@32.342,64.042 ; v1(50.175,66.375) 50.057,66.375 49.782,66.1 34.4,66.1 v1@32.342,64.042 ; v1(51.263,67.84) v1(53.505,67.84)
Audio_R: C20.1 R11.2 | length 29
  Top w0.2: R11.2@1.835,91.682 1.969,91.816 1.969,99.546 v1(2.555,100.132) ; C20.1@20.5,98.057 20.575,98.132 v1(20.575,100.19)
  Bottom w0.2: v1(2.555,100.132) 13.649,100.132 13.652,100.135 20.52,100.135 v1(20.575,100.19)
CM_VREF: Module1.78 R13.1 | length 13.1
  Top w0.2: R13.1@41.575,22.638 42.05,22.163 42.25,22.163 42.303,22.216 42.75,22.216 v1(42.788,22.254) ; v1(50.45,22.9) 50.66,23.11 Module1.78@51.671,23.11 ; Module1.78@51.664,23.12 52.66,23.12 v1(53.59,24.05)
  Bottom w0.2: v1(42.788,22.254) 43.353,22.819 46.114,22.819 46.237,22.696 48.189,22.696 48.392,22.9 v1(50.45,22.9)
Coil_RX_LAN1_N: J9.7 T2.9 | length 12.7
  Top w0.15: v1(126.9,48.7) 126.948,48.748 126.948,48.881 126.98,48.913 126.98,49.734 126.942,49.772 126.942,50.21 126.98,50.248 126.98,50.265 v1(127.471,50.756)
  Bottom w0.15: T2.9@122.5,51.74 123.397,51.74 124.517,50.62 126.979,50.62 127.067,50.708 127.423,50.708 v1(127.471,50.756) ; v1(126.9,48.7) 126.9,48.302 127.349,47.852 128.771,47.852 128.847,47.929 129.991,47.929 130.444,47.476 J9.7@130.994,47.476
Coil_RX_LAN1_P: J9.8 T2.11 | length 12.7
  Top w0.15: v1(127.471,49.991) 127.471,49.923 127.28,49.732 127.28,49.36 127.5,49.14 v1(127.5,48.683)
  Bottom w0.15: T2.11@122.5,49.2 123.397,49.2 124.238,50.041 124.517,50.32 124.862,50.32 cw(c124.862,50.17) 125.012,50.17 125.012,49.936 ccw(c125.11,49.936) 125.11,49.839 125.565,49.839 ccw(c125.565,49.936) 125.662,49.936 125.662,50.223 cw(c125.76,50.223) 125.76,50.32 126.215,50.32 cw(c126.215,50.223) 126.312,50.223 126.312,50.106 ccw(c126.41,50.106) 126.41,50.008 126.865,50.008 ccw(c126.865,50.106) 126.962,50.106 126.962,50.17 cw(c127.112,50.17) 127.112,50.32 127.142,50.32 127.418,50.044 v1(127.471,49.991) ; v1(127.5,48.683) 127.5,48.24 127.588,48.152 127.64,48.152 128.137,48.152 ccw(c128.137,48.302) 128.287,48.302 128.287,48.404 cw(c128.384,48.404) 128.384,48.501 128.839,48.501 cw(c128.839,48.404) 128.937,48.404 128.937,48.379 ccw(c129.087,48.379) 129.087,48.229 129.812,48.229 129.822,48.229 130.069,48.476 J9.8@130.994,48.476
Coil_RX_LAN2_N: J10.7 T3.9 | length 39.1
  Top w0.254: v1(9.7,72.5) 9.7,72.278 9.723,72.255 9.723,65.064 10.182,64.605 10.182,64.578 10.641,64.119 10.981,64.119 v1(11,64.1) ; v1(24,71.15) 24,70.928 24.023,70.905 24.023,70.877 24.055,70.844 24.055,68.173 24.728,67.5 v1(24.975,67.5)
  Bottom w0.254: v1(9.7,72.5) 9.7,72.859 10.417,73.576 11.657,73.576 12.03,73.949 J10.7@13.007,73.949 ; v1(11,64.1) 11.222,64.1 11.245,64.123 11.867,64.123 12.64,64.896 14.654,64.896 14.985,65.227 19.699,65.227 22.022,67.55 23.673,67.55 23.817,67.694 24.236,67.694 24.242,67.7 24.553,67.7 24.753,67.5 v1(24.975,67.5) ; T3.9@19.022,71.355 19.971,71.355 20.964,72.348 23.1,72.348 24,71.448 v1(24,71.15)